# KiCad board Rogelio Pineda 3;16 AM-AMLDC-2044B.kicad_pcb (continued)
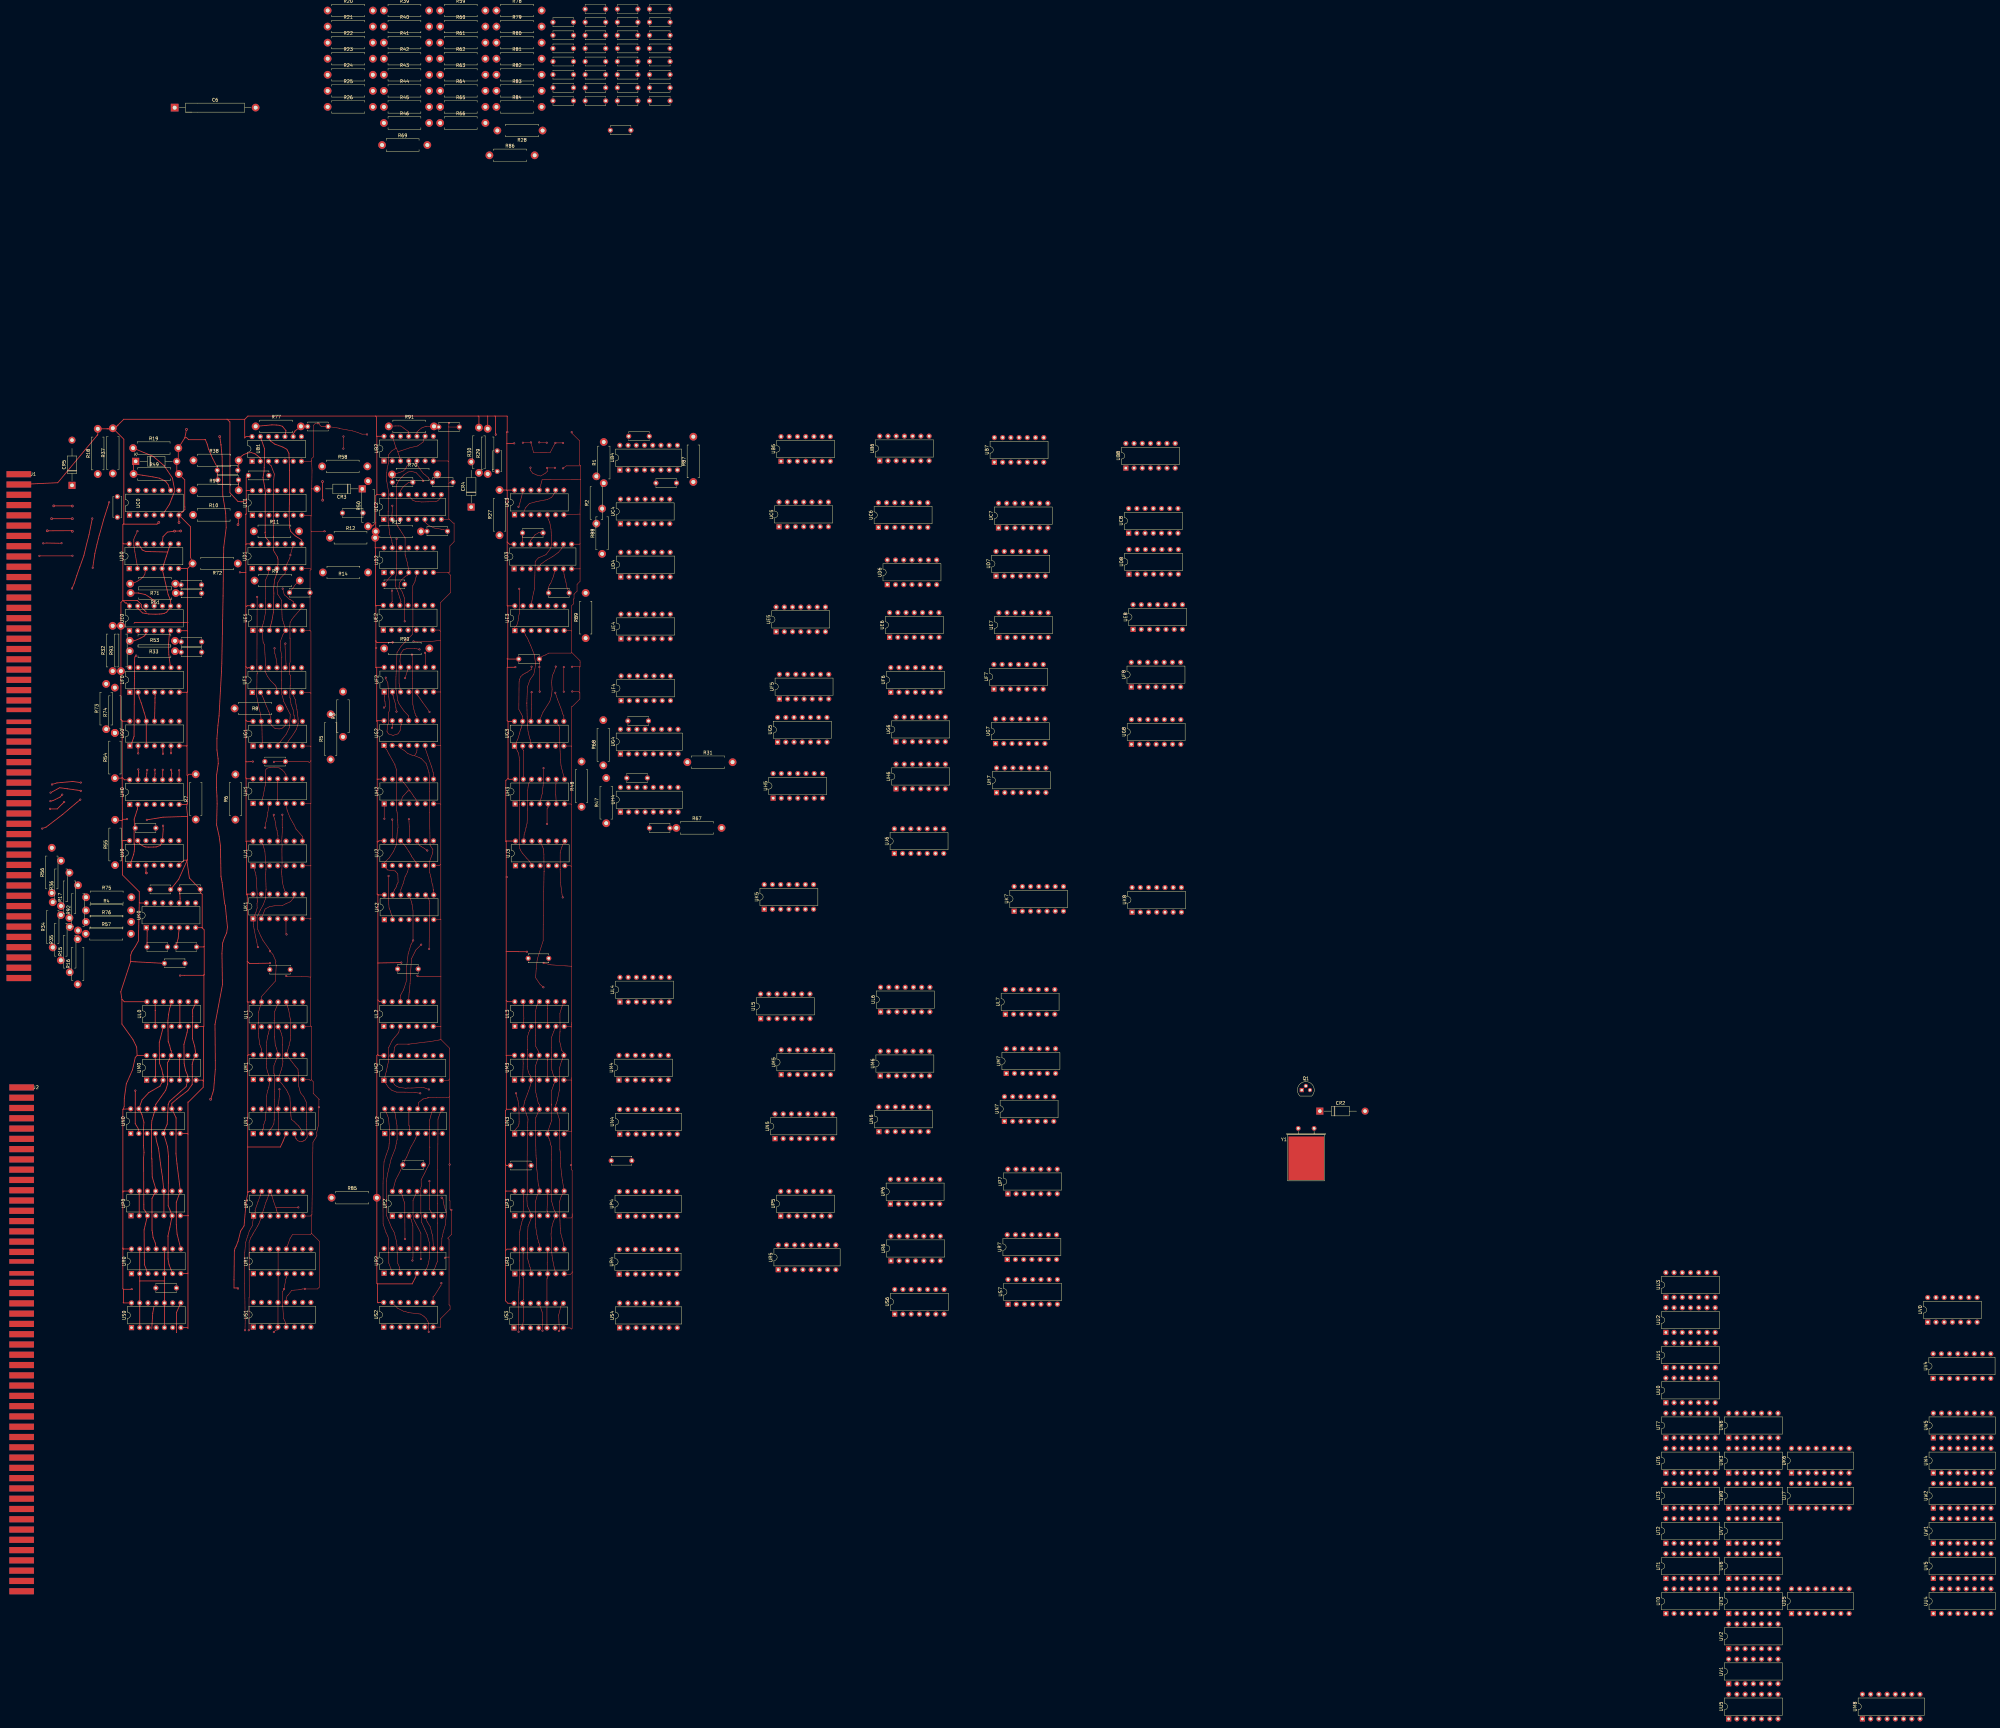
[diagram p0: board, top side]
## Routing (per net, layer and track width the routed paths; a pad name or vN(x,y) marks a point on that pad's centre or on a via; arc(x,y) is an arc through that point) (continued)
(no net): length 377.9
  Top w0: 81.24,359.14 81.25,359.16 v1(82.12,359.16) ; 92.28,359.16 v1(92.32,359.2)
  Top w0.15: v1(231.4,394.1) 231.5,394.2 v1(233.87,394.2) 234.71,391.03 239.8,391.02 241.39,394 v1(241.44,394.05) 243.76,394.05 v1(243.81,394) ; 236.88,383.82 235.78,384.09 234.41,384.7 233.75,385.58 v1(233.75,386.39) ; 236.95,383.85 238.32,384.68 238.91,385.19 238.91,386.25 v1(238.84,386.32) 241.29,386.32 v1(241.31,386.34) ; v1(236.44,394.2) 238.67,394.2 v1(238.77,394.1) ; v1(175.97,392.28) 175.97,395.98 v1(176,396.02) ; v1(244.03,324.81) v1(244.03,317.22)
  Top w0.2: 83.24,362.97 v1(83.3,363.03) 84.31,363.12 ; 88.97,363.05 88.96,363.05 v1(88.94,363.07) 88.93,363.05 87.98,363.05 ; v1(82.12,359.16) 92.28,359.16
  Top w0.25: 95.06,289.17 94.9,289.17 v1(94.88,289.15) 92.42,289.48 87.54,289.05 85.89,288.54 v1(86.01,288.54) 86.01,288.66 85.99,288.64 ; v1(92.19,349.08) 92.86,350.64 93.64,353.04 94.6,355.76 95.83,359.21 96.7,362.81 97.44,365.68 v1(98.44,370.7) ; 92.38,370.59 92.33,370.64 v2(92.28,370.64) v2(85.88,370.64) 86.03,370.64 ; 169.58,376.39 v2(169.58,376.34) v2(169.53,382.09) 169.58,382.04 ; v2(137.78,395.99) 137.93,395.09 138.18,393.49 ; v2(134.98,191.34) 135.63,193.24 135.93,194.39 136.43,200.59 136.43,203.29 136.33,214.44 138.63,226.69 138.48,236.44 138.68,239.59 139.28,241.29 139.93,242.74 140.18,244.54 139.83,247.84 139.53,251.09 139.28,251.94 138.53,258.29 138.18,260.14 138.03,268.54 137.98,269.84 137.63,272.49 136.83,276.04 136.98,282.59 136.93,284.99 136.78,287.59 136.83,291.49 137.33,294.99 137.28,296.49 136.93,299.19 136.93,302.74 137.23,306.74 137.58,309.74 138.33,323.44 138.43,325.89 138.83,346.79 138.93,355.89 139.03,361.84 139.78,367.84 139.63,372.39 138.73,377.89 138.53,389.74 138.18,393.49 ; 138.18,393.49 138.18,393.34 ; 85.45,281.01 85.4,281.01 v1(85.4,281.05) 85.5,281.01 87.6,281.01 v1(89.77,283.15) 89.58,282.98 ; 84.31,363.12 87.98,363.05 ; v1(89.15,285.42) 88.52,284.68 86.32,283.58 v1(85.5,283.4) ; v1(85.55,286.03) 88.4,287.56 90.74,287.23 94.88,286.66 v1(94.88,286.6) 94.94,286.6 94.97,286.57 ; v2(92.28,366.74) 92.08,366.94 v2(84.53,366.89) 84.48,366.94 ; v1(82.97,274.95) 84.2,275.41 89.33,279.34 93.7,283.05 v1(94.75,283.89) 94.79,283.79 ; v2(86.53,374.59) 92.23,374.59 v2(92.28,374.54) 92.33,374.49 ; v1(103.64,375.69) 103.12,374.04 101.94,370.35 100.92,366.58 100.57,365.52 100.31,364.41 99.85,362.55 99.24,359.89 v1(98.57,355.47)
B1p2: length 12.5
  Top w0.25: UB1.2 150.32,389.4 148.73,390.64 147.58,391.04 146.48,390.94 145.18,390.44 143.65,389.31 R38.2 143.65,385.86 C45.2
B1p3: length 54.5
  Top w0.2: UE1.3 153.85,338.86 154.36,341.67 154.51,347.65 154.42,349.01 154.79,351.91 155.46,353.89 UD1.4 155.8,356.61 155.79,358.17 155.6,358.53 155.62,358.81 154.79,360.13 154.36,360.93 154.36,364.33 154.4,365.25 154.44,364.76 154.44,371.35 154.37,371.42 154.37,379.53 154.39,379.54 154.47,382.82 154.67,384.4 153.69,386.93 152.86,387.66 UB1.3
B1p9: length 6.4
  Top w0.25: UB1.9 160.48,396.96 160.95,397.43 160.97,397.66 R77.2 164.88,399.14 C16.1
B1p10: length 11.9
  Top w0.25: 157.94,395.98 158.25,397.83 157.15,399.16 156.27,399.46 155.25,399.56 153.91,399.6 R77.1
B1p12: length 38.3
  Top w0.25: UD1.8 163.11,364.03 161.1,365.34 159.71,366.7 159.37,367.98 159.23,371.5 159.32,376.66 159.37,385.59 159.16,390.8 158.53,392.04 157.31,392.74 154.79,393.67 153.41,394.66 UB1.12
B1p13: length 33.9
  Top w0.25: UB1.13 151.62,392.24 151.53,386.39 151.48,385.27 151.16,383.3 151.74,380 151.97,378.2 151.85,378.08 151.85,366.44 151.76,366.36 152,364.85 152.92,363.79 UD1.12
B2p4: length 7.4
  Top w0.15: UB2.4 196.15,387.41 195.72,387.14 195.18,386.03 194.52,385.38 193.87,385.1 193.01,384.79 R70.1
B2p5: length 11.3
  Top w0.15: UB2.5 198.78,387.14 199.1,386.71 199.64,385.94 200.69,384.54 201.2,384.18 202.18,383.34 202.24,383.34 202.24,383.13 C13.1 R70.2
B2p10: length 8.7
  Top w0.15: UB2.10 198.69,397.39 199.28,397.96 200.09,398.62 200.7,398.89 201.5,399.14 201.5,399.14 R91.2 204.15,398.94 C30.1
B2p11: length 8.1
  Top w0.15: R91.1 191.99,399.28 192.96,399.28 193.73,399.25 194.61,398.62 196.15,397.45 UB2.11
B2p13: length 50.7
  Top w0.15: UD2.13 191.07,363.04 190.95,363.39 190.97,363.8 190.72,364.52 190.31,365.7 190.24,366.29 189.88,369.28 189.79,369.37 189.79,372.83 189.81,372.86 189.88,379.17 189.36,382.25 189.25,383.75 189.38,384.92 189.5,386.17 189.84,387.59 189.88,390.31 190.81,391.51 192.3,392.46 ; 192.78,391.31 193.44,391.51 193.93,391.67 196.36,392.48 198.92,393.1 200.59,394.32 201.04,395.9 UB2.9 ; 192.78,391.31 192.89,390.9 193.23,389.97 UB2.3 ; 192.78,391.31 192.39,392.3 192.3,392.46 ; 192.3,392.46 192.12,392.73 191.81,393.87 191.53,394.73 UB2.13
C0p5: length 28.2
  Top w0.25: UC0.5 122.28,375.09 123.01,376.97 123.93,379.19 123.18,383.19 120.63,386.99 117.29,389.85 R19.1
C0p9: length 17.6
  Top w0.25: 122.64,379.37 122.17,380.14 121.93,381.04 121.23,381.99 120.78,382.34 119.18,383.14 117.18,383.54 114.03,384.04 R49.1 111.18,387.69 CR1.1
C2p2: length 4.3
  Top w0.15: UC2.2 190.98,371.88 191.04,372.58 191.1,374.49 191.08,374.51 v1(191.08,374.62) 190.97,374.62 190.95,374.64
C2p6: length 8.5
  Top w0.15: C15.2 206.91,367.29 206.27,367.38 203.96,367.76 202.22,368.64 201.61,369.17 201.14,369.63 UC2.6
C2p13: length 12.3
  Top w0.15: UC2.13 196.06,377.68 197.42,376.32 198.21,376 199.05,375.93 200.12,375.8 202.08,375.84 204.42,375.91 205.1,376.14 205.82,376.91 UC2.9
C2p14: length 6.2
  Top w0.15: C29.2 196.15,381.87 194.55,380.58 194.09,380.06 193.52,379.1 UC2.14
C3p5: length 30.9
  Top w0.15: UC3.5 239.21,370.47 239.68,369.58 240.1,367.35 240.19,365.37 240.19,362.79 240.21,362.76 240,361.46 238.51,359.53 236.14,358.5 235.21,357.43 235,348.98 234.67,347.68 234.35,346.12 234.18,345.21 233.99,344.56 UE3.12
C3p9: length 13.8
  Top w0.15: UC3.2 231.9,373.2 232.21,374 233.39,375.31 235.66,375.93 238.92,376.55 240.29,377.23 240.94,378.17 UC3.9
C3p13: length 5.6
  Top w0.15: 230.1,374.28 230.04,374.22 v1(230.04,374.31) 230.13,374.31 230.47,375.46 230.94,377.23 231.06,377.61 UC3.13
C31p2: length 3.2
  Top w0.25: C31.2 143.58,379.46 R94.2
C58p1: length 1.9
  Top w0.25: C58.1 125.48,350.54 R71.1
C59p1: length 1.7
  Top w0.25: C59.1 125.78,347.69 R51.1
D0p2: length 12
  Top w0.2: UD0.2 112.38,355.94 112.1,357.36 111.58,360.44 111.28,362.4 111.25,364.23 111.53,364.98 v1(112.39,366.78) 112.48,366.81
D0p3: length 7.5
  Top w0.2: UD0.3 114.66,353.5 114.15,352.68 113.46,352.05 112.74,351.53 111.37,350.81 110.49,350.91 R71.2
D0p9: length 43
  Top w0.25: UD0.13 113.23,362 113.83,360.99 114.98,360.49 121.73,360.34 ; 121.73,360.34 UD0.9 ; 121.73,360.34 121.28,358.94 120.53,356.59 120.39,355.62 UD0.5 121.88,347.14 122.43,345.89 122.58,345.34 122.64,345.29 122.64,343.66 122.03,342.59 121.43,341.79 120.68,341.39 119.93,341.24 119.18,341.19 118.03,341.14 115.88,341.19 113.93,341.54 112.48,343 112.48,343.66
D0p10: length 8.4
  Top w0.25: UD0.10 120.28,365.09 121.63,366.49 v2(123.83,366.79) 123.93,366.79 v2(125.73,366.84) 125.78,366.84
D1p3: length 40.1
  Top w0.15: UF1.4 155.23,318.66 154.9,319.22 154.84,319.32 154.44,319.68 153.52,320.6 152.53,321.95 151.78,323.53 151.84,325.34 151.94,325.44 151.61,331.66 151.18,332.54 150.89,335.83 UE1.2 151.38,338.83 151.91,341.59 151.88,346 151.84,348.99 151.94,351.65 152.92,353.98 UD1.3
D1p9: length 66.2
  Top w0.15: 155.71,300.72 158.32,304.12 159.34,306.23 159.57,310.21 158.35,312.58 157.96,313.41 157.58,314.15 157.19,315.69 156.92,316.47 156.92,320.57 156.91,320.57 156.92,320.99 156.92,327.82 157,327.9 156.49,330.75 156.49,332.68 157.29,334.79 UE1.5 157.55,338.32 157.06,339.86 156.87,345.46 155.69,347.32 155.46,349.34 155.72,350.88 156.55,352.32 158,353.77 UD1.5 158.6,356.81 159.41,358.48 v1(159.62,359.41) UD1.9
D2p2: length 4.6
  Top w0.15: C44.1 190.07,352.29 191.07,353.29 UD2.2
D2p4: length 56.7
  Top w0.15: 193.52,367.15 192.65,368.41 192.47,368.88 192.42,368.92 192.42,381.16 192.69,381.69 193,382.33 194.02,383.51 194.16,383.64 194.68,384.19 195.92,385.04 197.03,385.23 198.44,384.86 200.75,382.44 v1(200.63,382.27) 200.75,382.25 ; 194.95,338.86 194.93,338.88 v1(194.93,338.94) 194.86,338.94 194.84,338.96 194.84,346.11 194.49,347 194.18,347.97 193.17,349.54 193.27,350.8 193.93,351.79 195.21,352.91 195.88,353.2 195.88,353.75 UD2.4 196.06,354.11 196.06,355.14 195.86,356.3 195.71,357.15 195.36,358.26 195.13,359.34 195.03,359.44 195.03,364.69 194.06,366.28 193.46,367.21
D2p5: length 49.2
  Top w0.15: 195.03,332.56 193.79,331.24 192.53,329.27 192.22,321.79 192.19,321.05 192.19,317.92 192.35,317.48 192.74,314.56 193.16,313.46 194.69,311.25 196.15,309.7 UG2.11 ; 195.03,332.56 197.23,334.84 197.44,337.42 197.44,343.12 197.39,343.75 197.41,349.91 198.18,351.42 ; 195.03,332.56 195,332.43 ; 198.07,351.39 198.52,352.97 UD2.5
D3p6: length 7.9
  Top w0.15: UD3.6 240.89,352.96 239.96,350.61 239.61,350.19 239.14,348.87 C27.1
D3p7: length 7.7
  Top w0.15: C27.2 245.01,349.4 244.68,351.08 244.31,352.59 244.12,353.43 UD3.7
D3p10: length 11.2
  Top w0.15: UD3.10 243.42,361.46 242.38,360.25 240.63,358.97 238.65,357.83 236.88,356.57 UD3.4
D3p14: length 6.1
  Top w0.15: C25.2 236.28,366.33 235.12,365.64 ; UD3.14 233.76,363.93 235.2,365.69
D3p15: length 3.5
  Top w0.15: UD3.15 231.22,363.77 231.27,364.14 C25.1
E0p3: length 6.7
  Top w0.25: R53.2 111.51,332.96 113.44,333.8 114.43,334.36 115.02,334.95 UE0.3
E0p6: length 11.6
  Top w0.25: UF0.9 122.47,325.61 122.08,328.64 122,330.39 121.99,331.83 122.29,335.69 122.64,336.04
E0p11: length 9.6
  Top w0.25: 117.56,343.66 117.56,345.35 117.22,345.54 116.34,346.26 114.78,347.23 112.82,347.65 112.78,347.69 R51.2
E1p8: length 37.5
  Top w0.15: UG1.9 160.79,309.8 160.74,309.85 160.45,311.61 159.84,313.21 159.55,315.21 159.46,315.31 159.46,317.52 159.53,317.59 159.53,319.02 159.62,319.11 159.62,322.3 159.42,322.5 159.42,325.86 159.53,326.46 159.53,333.69 159.46,333.76 159.49,333.78 159.49,336.25 159.46,337.63 159.53,338.58 160.06,339.5 160.76,340.43 162.92,342.89 162.92,343.4 UE1.8
E1p9: length 6.9
  Top w0.15: UE1.9 160.59,343.91 160.59,344.94 159.57,345.7 159.28,345.77 158.39,346.62 157.73,347.12 v1(157.24,349.06) 157.2,349.02
E2p12: length 21.2
  Top w0.15: UE2.12 193.4,344.61 193.78,344.99 193.32,346.41 192.76,348.22 192.01,349.9 191.99,351.57 192.37,354.06 192.35,356.06 192.39,356.62 v1(192.39,364.43) 192.44,364.52
E2p13: length 4.7
  Top w0.15: UE2.13 190.86,344.82 191.06,345.02 191.02,345.06 v1(190.98,348.43) 191.02,348.47
E3p1: length 13.4
  Top w0.15: 230.38,348.95 v1(230.27,348.98) 230.3,341.44 229.99,339.81 229.92,339.09 229.48,337.58 228.91,337.2 UE3.1
E3p2: length 37.5
  Top w0.15: UG3.3 233.64,302.43 233.43,303.1 233,304.93 232.79,306.85 232.76,307.23 232.64,312.97 232.64,313.83 ; UE3.2 231.93,335.62 232.16,334.71 232.81,333.71 233.19,332.85 233.85,331.36 234.96,328.57 235.35,325.61 234.78,322.59 233.63,321 232.8,318.67 232.62,313.52
F0p2: length 17
  Top w0.25: UG0.3 UG0.12 114.97,308.25 114.94,309.18 114.44,310.88 113.5,313.89 112.92,315.41 UF0.2
F0p4: length 9
  Top w0.25: UG0.11 117.8,313.77 117.8,315.11 117.83,315.48 117.84,316.05 UF0.4
F1p2: length 17.3
  Top w0.15: UF1.2 150.98,315.83 151.6,314.32 152.2,312.76 152.97,311.01 153.6,309.06 UG1.12 153.77,306.83 154.9,305.8 156.27,305.71 157.03,305.91 157.65,306.42 158.03,306.85 158.26,308.04 UG1.10
F1p6: length 17.8
  Top w0.15: UF1.6 160.54,316.09 161.14,314.71 161.36,313.15 161.49,312.51 161.65,311.63 161.75,310.91 161.97,309.09 161.98,308.66 161.98,307.33 162.01,307.3 161.46,305.61 160.99,304.79 159.98,303.26 159.42,302.57 158.56,301.33 UG1.5
F1p10: length 7.9
  Top w0.15: UF1.10 158.26,324.87 158.26,325.91 157.94,331.78 158.15,332.09 v1(158.07,332.09) 158.07,332.17 158.11,332.13
F1p11: length 6.1
  Top w0.15: 154.75,330.64 v1(154.71,330.6) 154.79,329.09 155.18,327.54 155.46,325.88 UF1.11
F2p1: length 5.2
  Top w0.15: UF2.1 188.64,315.88 188.75,315.64 188.75,314.38 188.83,314.17 188.93,312.62 188.64,312.33 v1(188.51,312.33) 188.51,312.2
F2p2: length 6.5
  Top w0.15: UF2.2 191.12,316.29 191.32,316.09 191.32,315.96 191.61,314.85 192.08,313.33 192.16,312.43 192.35,311.09 v1(192.37,311.07) 192.35,311.04 192.35,310.91
F2p3: length 18.7
  Top w0.15: UF2.3 193.35,318.95 193.16,319.82 193.16,324.25 UF2.12 193.45,326.62 193.5,327.62 193.66,328.38 193.66,328.38 193.77,329.14 194.5,330.17 195.5,330.48 198.02,330.59 v1(199.47,330.27) 199.49,330.3
F2p5: length 7.6
  Top w0.15: UF2.5 198.74,316.18 199.05,315.88 199.73,314.96 200.41,313.98 202.54,311.04 202.54,310.99 v1(202.57,310.96) 202.54,310.94 202.54,310.83
F2p9: length 4.8
  Top w0.15: 201.23,329.46 201.28,329.4 201.28,329.33 v1(201.17,329.22) 201.28,329.11 UF2.9
F2p11: length 3.7
  Top w0.15: 195.08,321.37 v1(195.03,321.39) 195.76,323.73 195.76,324.31 UF2.11
G0p1: length 28.6
  Top w0.25: UG0.1 110.49,300.93 111.11,302.78 111.35,303.46 111.44,320.07 111.48,321.22 111.45,321.85 111.46,325.86 111.49,326.3 111.44,326.69 111.59,327.95 111.98,328.27 v1(111.98,328.36) 112.07,328.36 111.98,328.27
G0p2: length 2.5
  Top w0.25: 112.64,298.07 112.63,298.08 v1(112.63,298.15) 112.57,298.15 112.58,298.13 UG0.2
G0p5: length 2.6
  Top w0.25: 120.27,297.96 120.2,298.03 v1(120.27,298.07) UG0.5
G0p6: length 2.4
  Top w0.25: UG0.6 122.74,298.26 122.74,298.26 v1(122.74,298.2) 122.79,298.2 122.88,298.12
G1p2: length 46.6
  Top w0.15: 149.24,346.65 149.3,346.6 v1(149.35,346.49) 149.27,323.43 149.47,322.91 149.3,322.73 149.24,315.79 149.47,314.32 149.9,312.22 150.41,310.23 UG1.13 150.82,306.96 150.92,301.29 150.63,301 UG1.2
G2p1: length 51.7
  Top w0.15: UK2.13 191.81,256.18 191.97,256.34 192.35,256.99 192.52,257.66 192.88,258.38 192.78,260.93 191.95,261.85 189.7,262.15 188.58,263.19 UJ2.1 188.58,264.37 190.12,265.88 191.44,267.86 192.34,269.95 192.64,274.42 192.85,275.32 192.74,277.31 192.78,277.84 192.55,279.94 192.45,280.54 192.45,292.92 191.9,294.49 191.9,294.68 190.04,297.99 189.35,299.3 188.53,300.12 UG2.1
G2p2: length 57.8
  Top w0.15: 197.93,297.45 199.49,296.83 200.09,296.52 201.57,294.96 202.4,292.25 202.64,289.89 202.61,287.37 202.64,286.43 202.64,279.91 202.58,279.86 202.74,269.8 203.6,268.48 203.58,267.46 202.61,264.86 202.61,261.43 202.94,260.22 203.39,257.86 203.61,257.29 203.72,255.99 203.81,255.89 ; 197.93,297.45 197.23,297.58 195.78,298.18 194.84,299.01 193.61,299.75 UG2.3 UG2.2 ; 197.93,297.45 198.48,298.31 198.69,299.04 UG2.5 ; 203.81,255.89 UK2.8 ; 203.81,255.89 203.8,256.15
G2p6: length 10.8
  Top w0.15: UH2.8 203.86,291.53 203.7,292.23 203.23,293.99 202.53,295.92 201.99,297.61 201.36,299.37 UG2.6
G2p10: length 20.9
  Top w0.15: UG2.10 198.69,309.48 198.26,309.91 198.1,310.52 197.76,311.65 197.42,313.33 197.29,321.18 197.31,326.59 v1(197.15,328.67) 197.23,328.56
G2p12: length 25.2
  Top w0.15: UG2.12 193.84,307.18 193.69,306.42 193.48,305.16 192.85,304.21 191.32,303.71 189.88,304.19 189.43,305 189.64,306.79 189.88,307.52 189.98,310.88 190.11,311.23 190.32,312.38 189.98,315.82 189.69,320 189.06,321.13 v1(189.06,321.55) 189.06,321.52
G2p13: length 2.4
  Top w0.15: 191.03,306.08 v1(190.98,306.08) 190.98,306.02 191.03,306.08 ; 191.03,306.08 191.07,306.12 UG2.13
G3p2: length 10.4
  Top w0.15: UG3.2 231.35,299.38 231.6,299.13 231.55,299.08 UH3.13
G3p8: length 9.5
  Top w0.15: 241.44,316.99 v1(241.4,316.88) 242.08,314.89 243.47,311.24 243.62,310.38 243.96,309.93 244.05,309.84 UG3.8
G3p9: length 18.4
  Top w0.15: UH3.8 243.19,294.31 243.01,296.31 242.83,300.23 242.72,305.89 242.7,306.24 242.4,306.85 UG3.9
G3p11: length 18.3
  Top w0.15: UG3.11 237.61,310.91 239.71,314.21 240.28,316.2 240.43,317.93 240.28,320.11 240.5,322.25 240.92,323 241.59,324.92 v1(241.55,324.96) 241.59,325 241.59,325.15
G3p12: length 9.5
  Top w0.15: UG3.12 234.08,312.03 234.15,313.31 233.97,317.1 233.93,317.07 v1(234.12,317.07) 234.12,317.25 234.08,317.22
H0p2: length 19.4
  Top w0.25: UH0.2 112.37,280.94 111.38,277.85 111.5,275.05 111.35,274.91 111.35,270.44 111.51,269.41 111.39,267.96 111.22,267 110.35,264.43 109.94,264.22 UJ0.1
H0p8: length 3
  Top w0.25: 125.19,293 125.23,292.95 v1(125.27,292.95) UH0.8
H0p9: length 3.3
  Top w0.25: UH0.9 122.99,292.01 122.79,293 v1(122.79,293.11) 122.9,293.11 122.92,293.13
H0p10: length 3.2
  Top w0.25: 120.16,293.16 120.15,293.16 v1(120.21,293.11) UH0.10
H0p11: length 3.2
  Top w0.25: 117.79,293.13 v1(117.73,293.13) 117.73,293.08 117.83,292 UH0.11
H0p12: length 3.3
  Top w0.25: 115.36,293.08 v1(115.42,293.08) 115.42,293.13 115.36,293.08 ; 115.36,293.08 115.27,291.9 UH0.12
H0p13: length 3.4
  Top w0.25: UH0.13 112.79,292.26 v1(112.65,293.21) 112.65,293.08
H1p3: length 7.9
  Top w0.15: UH1.3 152.63,279.93 152.49,278.81 152.15,277.24 151.89,276.38 v1(151.81,275.23) 151.89,275.19 152,275.08
H1p5: length 13
  Top w0.15: UJ1.8 163.33,272.55 161.36,274.78 160.73,276.12 160.35,276.79 159.57,278.14 158.6,280.6 UH1.5
H1p10: length 19.3
  Top w0.15: UH1.10 158.27,291.56 157.66,292.49 157.03,293.1 156.18,293.67 154.57,293.92 153.32,293.81 152.41,293.6 152.01,293.12 151.85,291.78 151.98,289.95 151.83,288.26 151.65,287.43 151.24,285.13 150.94,284.13 UH1.2
H1p11: length 7.6
  Top w0.15: UH1.11 UH1.4
H2p1: length 4.7
  Top w0.15: 188.58,277.92 188.58,277.93 v1(188.63,277.98) 188.58,278.02 UH2.1
H2p12: length 14.6
  Top w0.15: UH2.5 198.38,283.99 197.71,284.83 197.27,285.56 196.51,286.59 ; 196.51,286.59 195.9,286.59 194.18,284.7 UH2.3 ; 196.51,286.59 196.17,287.06 195.19,288.42 193.66,290.2 UH2.12
H3p4: length 11.2
  Top w0.15: 237.78,293.65 v1(237.78,293.61) 237.82,293.61 237.66,288.25 237.59,287.71 237.41,285.86 237.05,284.51 UH3.4
H3p5: length 6.5
  Top w0.15: 238.87,276.2 v1(238.87,276.38) 238.87,281.09 239.17,281.4 UH3.5
H3p9: length 7.6
  Top w0.15: UH3.9 241.57,288.47 241.55,285.55 UH3.6
H3p12: length 19.5
  Top w0.15: UJ3.13 231.79,273.14 232.02,273.76 232.39,275.35 232.7,276.62 232.87,280.62 232.84,280.99 232.87,282.17 232.87,286.58 233.07,288.38 233.25,288.98 UH3.12
J0p3: length 2.5
  Top w0.25: 115.23,261.23 v3(115.15,261.23) 115.15,261.31 115.02,261.44 UJ0.3
J0p10: length 14.3
  Top w0.25: 120.28,275.87 120.31,275.9 v1(120.31,275.85) 120.25,275.85 120.34,274.62 UJ0.10 119.5,269.77 118.2,269.27 117.35,269.25 115.86,269.22 114.79,269.27 113.84,269.7 112.99,270.29 112.48,271.22
J1p1: length 25.8
  Top w0.15: UJ1.1 148.44,262.48 148.76,261.43 148.99,260.51 149.09,259.45 149.35,254.8 149.29,253.91 149.39,252.59 149.46,252.41 149.3,251.86 149.35,250.41 148.97,249.11 148.09,247.09 148.17,245.32 148.27,244.65 148.44,243.73 148.89,241.45 149.17,240.31 149.5,238.39 149.55,238.35 v1(149.59,238.35) 149.59,238.3
J1p11: length 8.4
  Top w0.15: UJ1.11 155.79,272.73 155.54,273.6 155.52,274.27 155.21,275.13 155,276.81 154.73,278 154.45,278.74 154.45,279.16 v1(154.49,279.19) 154.45,279.23 154.45,279.25
J1p13: length 70.9
  Top w0.15: 152.07,262.22 152.08,263.99 152,264.07 151.73,267.97 151.11,270.06 UJ1.13 ; UM1.13 150.73,206.73 150.73,206.74 150.13,208.34 149.7,211.64 149.78,213.19 149.66,213.32 149.66,214.88 149.81,215.03 149.72,215.11 149.72,218.04 150.05,219.26 UL1.13 150.73,223.11 154.98,227.85 155.23,232.62 154.98,233.65 155.15,233.93 154.2,236.12 153.36,237.02 v1(153.3,237.07) 153.36,237.12 153.36,237.26 151.13,240.43 150.56,241.54 149.53,243.82 149.29,247.53 150.35,249.84 151.27,251.52 151.92,253.28 152.09,256.06 152.11,256.07 151.97,260.76 152.08,262.47
J2p4: length 9.5
  Top w0.15: UK2.12 193.71,256.05 194.45,258.06 195.02,260.03 195.83,261.62 UJ2.4
J2p10: length 4.8
  Top w0.15: v1(201.89,268.17) 201.82,268.24 201.82,268.27 ; v1(201.89,268.17) 201.82,268.1 201.82,268.07 ; v1(201.89,268.17) 201,268.79 200.01,269.43 199.39,269.81 UJ2.10
J2p11: length 6.9
  Top w0.15: 196.18,277.77 v1(196.2,277.86) 196.32,275.55 196.42,271.39 UJ2.11
J2p12: length 10.3
  Top w0.15: UJ2.12 195.15,269.43 196.25,267.76 196.9,266.7 197.1,266.26 197.75,265.37 198.39,264.51 UJ2.5 198.37,264.58
J2p13: length 6.7
  Top w0.15: UJ2.13 v1(191.05,277.74) 191.12,277.77 191.16,277.81
J3p3: length 66
  Top w0.15: 234.12,325.02 234.12,324.96 v1(234.09,324.93) 234.12,324.89 234.12,324.18 233.38,323.7 232.79,323.26 232.12,322.93 231.39,322.48 230.74,321.87 230.34,320.91 230.22,320.2 230.15,311.77 230.88,310.37 231.35,309.52 UG3.13 230.97,306.28 230.84,305.88 230.64,305.46 230.35,304.23 229.81,302.51 UG3.1 229.55,299.25 229.73,298.86 230.05,298.26 230.24,297.05 230.32,296.02 230.32,282.29 ; 230.32,282.42 230.25,270.05 230.39,269.72 230.42,268.92 230.61,268.34 231.24,267.36 232.56,265.82 233.48,264.82 UJ3.3
J3p8: length 17.9
  Top w0.15: 243.63,253.61 v1(243.71,253.69) 243.51,254.44 243.15,257.19 243,258.4 242.91,262.22 242.94,262.24 242.91,262.27 242.92,267.6 243.43,269.24 243.71,269.99 UJ3.8
J3p11: length 46.9
  Top w0.15: UJ3.11 237.25,269.89 237.75,268.64 237.9,266.85 237.89,265.86 237.96,261.63 237.93,261.7 237.84,255.39 237.73,252.8 237.7,248.1 237.68,245.33 237.67,243.85 237.67,240.31 235.85,234.66 235.51,231.61 235.34,228.89 236.75,226.78 237.09,226.55 237.54,226.05 237.64,225.94 v1(237.74,225.94) 237.74,225.85 237.8,225.78
K0p1: length 6
  Top w0.25: UK0.1 115.39,243.27 C57.1
K0p5: length 6.1
  Top w0.25: UK0.5 124.98,241.18 C64.1
K0p10: length 4.3
  Top w0.25: UK0.10 125.55,252.24 125.55,253.36 125.48,254.54 C72.1
K1p5: length 5
  Top w0.15: UK1.5 158.25,242.46 158.42,242.3 v1(158.42,242.26) 158.45,242.26 158.49,242.22
K1p9: length 14.2
  Top w0.15: UK1.2 151.82,250.12 153.14,250.83 154.58,251.08 157.23,251.23 158.27,251.77 159.64,252.38 160.5,253.42 UK1.9
K1p10: length 24.9
  Top w0.15: 157.08,277.75 157.08,277.86 ; 157.08,277.75 v1(157.12,279.22) 157.08,279.2 ; 157.08,277.75 157.08,276.1 157.08,275.37 157.17,275.35 156.95,271.21 157.06,269.65 157,268.6 157.04,264.09 157,262.44 156.88,261.54 157.02,260.14 157.11,258.44 157.55,256.68 UK1.10
K2p2: length 13.8
  Top w0.15: 189.89,260.38 189.89,260.34 v1(189.93,260.31) 189.89,260.28 189.89,252.79 190.1,250.33 190.47,249.51 190.78,248.38 191.16,247.74 191.17,247.72 UK2.2
K2p9: length 17.3
  Top w0.15: 202.51,237.68 v1(202.45,237.78) 202.59,251.71 202.5,252.59 202.28,253.46 UK2.9 201.43,254.44
K2p11: length 33.9
  Top w0.15: UK2.11 197.03,252.25 197.17,251.56 197.48,249.55 197.48,240.46 197.51,240.42 v1(197.52,240.39) 196.83,239.06 195.97,236.25 195.53,232.46 195.56,228.29 194.78,225.8 194.46,225 193.56,223.36 UL2.12
L0p3: length 80.9
  Top w0.25: UL0.3 119.13,208.89 119.18,202.53 119.89,200.65 120.24,198.96 120.3,198.89 UM0.3 119.34,195.41 115.89,193.42 113.8,191.17 UN0.13 113.75,186.67 114.38,184.29 114.25,182.12 114.25,177.11 114.41,174.88 114.28,173.24 114.36,158.91 114.36,157.43 114.91,156.64 UP0.3 114.44,151.02 114.52,141.86 114.57,140.22 UR0.3
L0p6: length 80.1
  Top w0.25: UL0.6 127.71,211.97 126.74,208.3 126.8,202.47 126.96,201.66 127.26,200.23 127.92,198.6 UM0.6 127.41,195.24 122.41,190.81 122.18,190.5 121.87,189.7 121.58,183.69 120.82,181.91 UN0.5 121.69,176.64 121.99,173.61 121.88,158.48 122.45,157.11 UP0.6 122.41,151.88 121.8,149.12 121.83,149.09 121.83,142.04 122.14,140.25 UR0.6
L0p8: length 80.6
  Top w0.25: UR0.8 124.63,149.71 124.38,152.79 124.38,159.52 UP0.8 124.6,171.38 124.28,174.49 124.31,185.62 UN0.9 123,190.08 124.6,191.47 125.85,192.44 127.96,194.04 129.28,195.93 129.34,198.96 129.3,202.17 129.61,203.46 129.93,204.18 UM0.8 130.06,207.73 129.38,210.04 129.44,216.85 129.41,219.02 UL0.8
L0p10: length 7.6
  Top w0.25: UL0.10 UL0.5
L0p11: length 78.8
  Top w0.25: UL0.11 122.33,219.38 122.01,217.59 121.78,215.57 121.88,209.23 122.35,207.93 122.65,206.54 122.84,206.35 UM0.11 122.18,203.6 121.91,203.03 121.68,202.65 121.72,196.04 121.71,196.03 121.11,194.12 118.05,189.78 UN0.11 117.35,186.47 116.83,184.71 116.68,182.04 116.79,172.97 116.85,172.91 116.95,167.36 118,163.85 UP0.11 116.88,160.69 116.9,150.86 117.03,150.31 117.2,148.71 117.9,146.95 UR0.11
L0p13: length 7.7
  Top w0.25: UL0.13 117.87,218.86 117.95,218.78 117.87,218.7 UL0.2
L1p3: length 33.6
  Top w0.15: UN1.2 151.03,182.07 151.35,182.47 151.39,183.54 151.85,184.91 152.1,187.7 152.21,189.35 152.21,192.19 152.57,193.94 152.96,195.09 UM1.3 152.82,199.11 152.46,200.11 152.28,201.08 152.18,202.23 152.18,203.02 152.2,208.03 152.28,209.01 152.57,210.8 152.86,211.77 UL1.3
L1p10: length 50.4
  Top w0.15: 161.37,179.13 161.34,179.23 ; 161.34,179.23 161.15,179.71 UN1.6 ; 161.34,179.23 161.72,178.7 162.39,178.31 163.14,178.32 163.26,178.34 163.64,178.5 ; 159.59,216 159.08,218.98 158.69,220.11 UL1.10 ; 163.64,178.5 163.51,178.45 ; 163.64,178.5 164.14,178.75 164.81,179.68 164.61,183.66 164.64,184.5 164.58,190.33 163.74,192.11 162.73,193.34 162.18,195.41 162.12,199.43 162.02,199.52 161.96,200.62 161.21,201.47 159.69,203.44 UM1.10 158.69,206.29 159.2,207.88 159.59,209.66 159.72,211.18 159.57,216.16
L1p11: length 42.1
  Top w0.15: 154.62,191.25 154.71,190.59 154.71,187.4 154.61,187.31 154.61,184.94 ; 154.61,191.18 154.69,193.84 154.61,194.41 154.83,196.89 154.74,196.98 154.74,198.94 154.54,199.29 154.51,199.36 154.51,201.66 155.05,203.13 155.81,205.08 155.33,207.11 154.94,208.08 154.76,210.55 154.69,210.62 154.69,215.61 154.58,215.72 154.69,216.26 154.76,218.44 155.58,220.42 UL1.11 ; 154.61,185.08 154.51,183.83 153.86,182.54 153.24,181.88 UN1.3
L2p3: length 30.9
  Top w0.15: 199.83,193.23 v1(199.7,193.2) 198.07,193.46 195,193.56 192.42,193.56 190.94,194.11 189.89,195.04 189.29,195.94 UM2.1 189.22,199.95 189.58,201.59 189.91,203.09 189.91,204.62 189.96,204.68 189.96,207.39 190.04,207.46 190.95,209.32 191.31,209.88 193.07,211.97 193.37,213.66 UL2.3
L2p11: length 19
  Top w0.15: 196.7,229.86 196.57,227.18 196.37,224.8 196.27,224.28 UL2.11 ; 200.03,239 v1(200,239.1) 198.26,237.37 198.26,237.27 196.99,234.72 196.69,229.66
L3p3: length 78.6
  Top w0.15: UL3.3 233.97,213.84 233.54,212.68 233.2,211.97 232.82,210.58 232.75,209.82 232.76,206.62 ; UR3.3 233.67,139.37 233.55,139.62 233.05,141.38 232.86,142.28 232.79,143.38 232.76,144.75 232.82,147.23 232.79,148.34 232.99,152.09 233.9,154.41 UP3.3 233.49,156.88 232.75,158.47 232.64,160.87 232.73,161.87 232.74,162.92 232.73,163.34 232.73,169.57 232.7,169.6 232.77,180.22 232.86,182.66 232.93,184.13 232.98,185.25 232.19,187.77 UN3.13 231.53,188.39 231.82,190.22 232.05,191 232.82,193.03 233.21,194.06 233.94,196.39 233.9,196.43 UM3.3 233.77,198.6 233.43,198.93 233.04,200.01 232.76,201.37 232.76,206.77
L3p6: length 79.2
  Top w0.15: UR3.6 241.68,137.51 241.27,138.66 241.15,139.02 240.51,142.18 240.4,143.23 240.28,144.57 240.15,148.46 240.1,149.82 240.37,151.93 240.75,153.45 UP3.6 241.62,156.08 241.07,157.08 240.54,158.86 240.28,159.89 240.11,162.45 240.19,162.87 240.25,172.61 240.29,174.34 240.21,176.71 239.92,177.56 239.75,178.51 239.45,179.3 UN3.5 239.36,182.14 239.61,182.92 239.91,183.79 240.27,184.7 240.34,184.94 240.25,185.99 240.21,187.99 240.28,189.88 240.28,189.52 240.26,193.95 240.89,195.8 UM3.6 241.52,198.14 240.88,198.58 240.37,200.34 240.34,200.37 240.27,203.09 240.18,204.14 240.28,205.8 240.22,207.38 240.21,210.41 240.97,212.38 UL3.6
L3p8: length 78.2
  Top w0.15: UR3.8 243.89,146.95 243.13,149.86 243.06,150.87 242.93,151.37 242.85,153.99 242.67,159.64 243.24,161.38 UP3.8 243.58,166.36 243.34,168.28 243,171.47 242.98,173.31 242.92,175.09 242.82,175.81 242.81,179.35 242.74,180.22 242.76,184.93 242.01,187.2 UN3.9 241.56,189.65 241.76,190.18 242.01,190.92 242.67,194.22 242.76,196.96 242.77,198.56 242.73,199.78 242.76,200.58 242.71,201 243.27,202.92 UM3.8 244.06,205.7 243.31,206.55 243.04,208.24 242.73,209.22 242.8,210.88 242.83,212.13 242.88,212.18 242.83,217.89 243.43,219.83 UL3.8
